# KiCad board AmigaPCI 68040.kicad_pcb (continued)
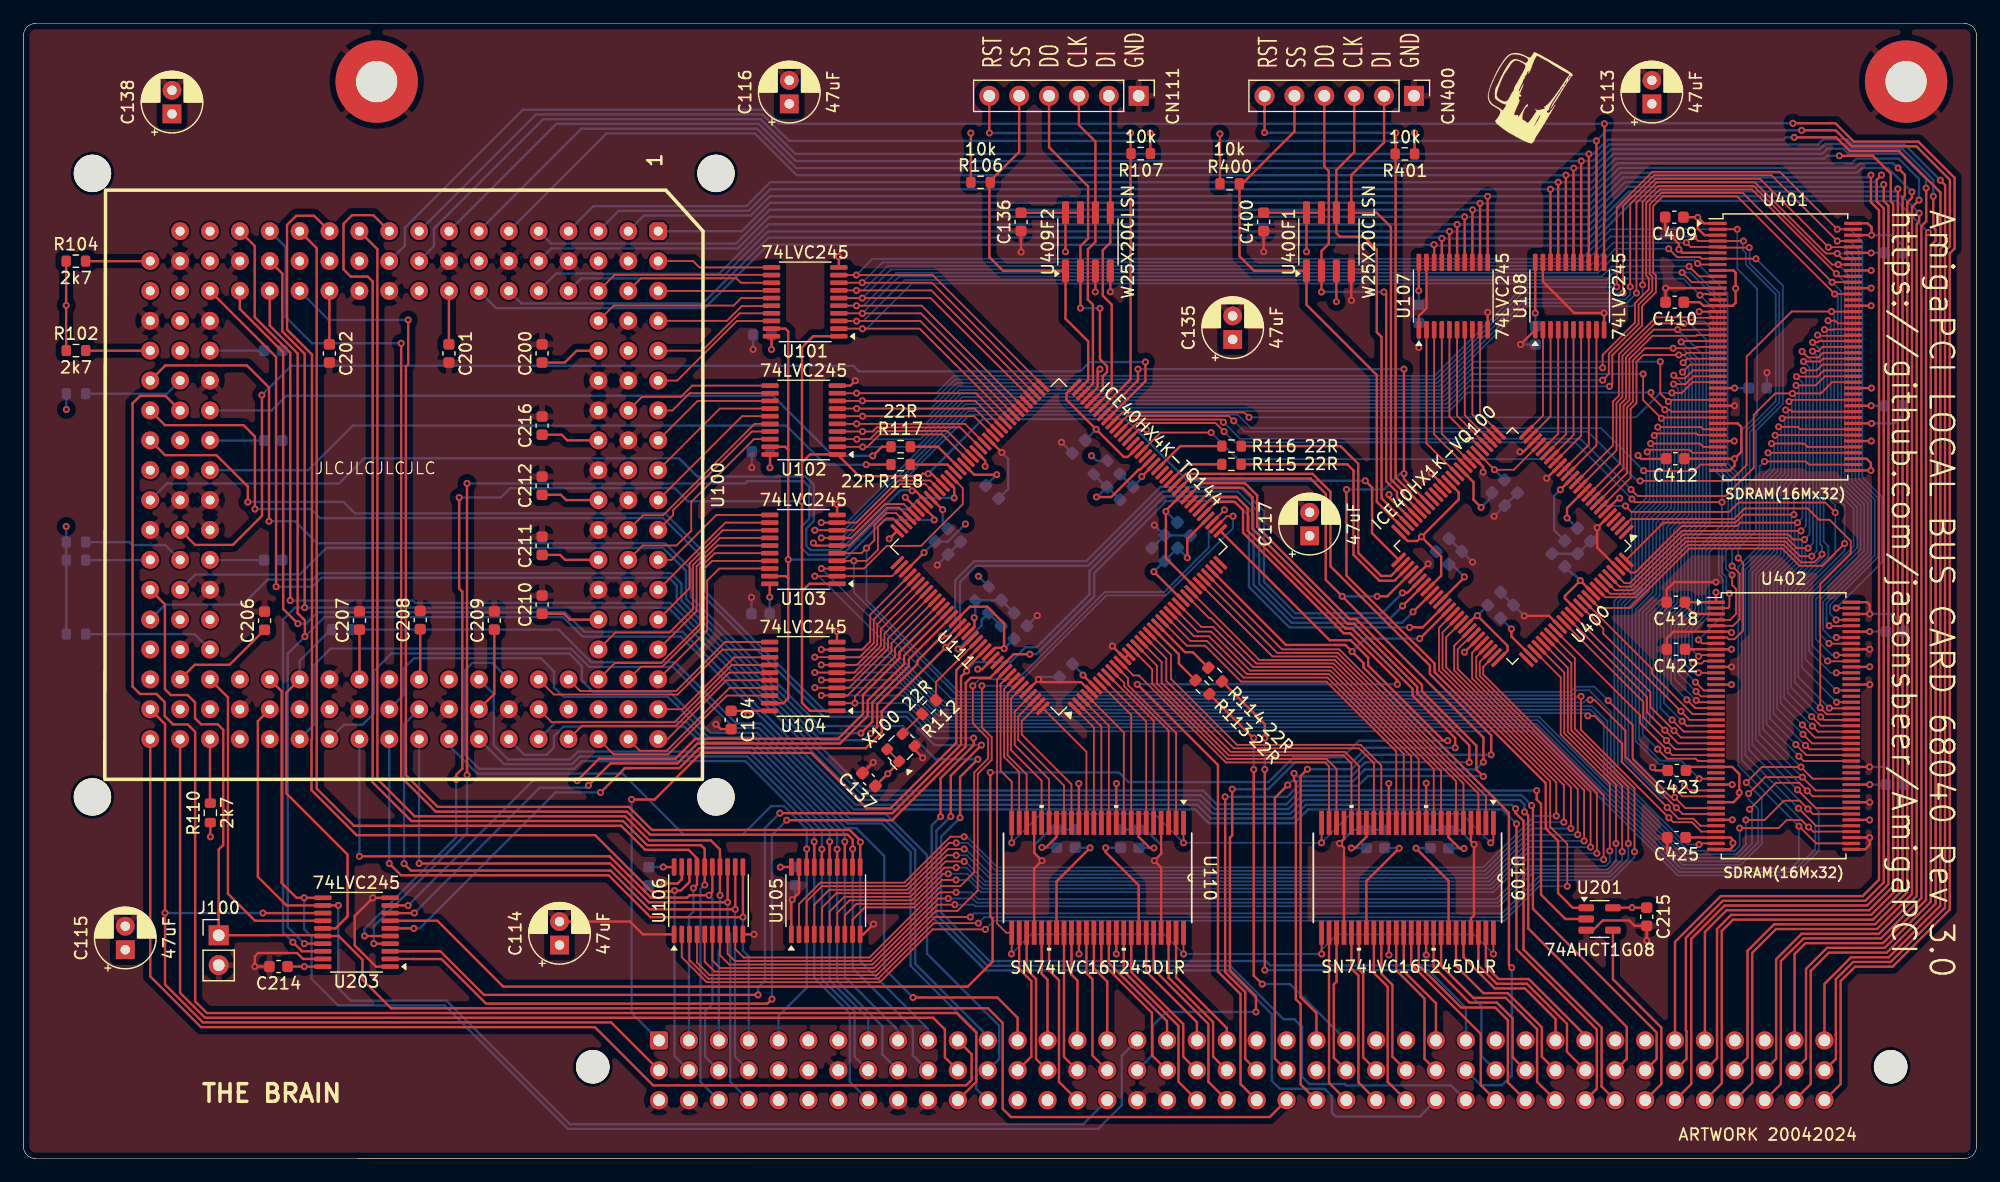
[diagram p0: board, top side]
## Routing (per net, layer and track width the routed paths; a pad name or vN(x,y) marks a point on that pad's centre or on a via; arc(x,y) is an arc through that point) (continued)
_TS-CPU: length 27.9
  Top w0.2: U100.142 17.38,39.19 17.38,22.5 19.67,20.21 U203.14
_UMBE: length 90.7
  Top w0.15: v1(140.11,65.08) 140.96,65.08 141.86,65.98 U401.28 ; U402.28 142.33,33.78 142.13,33.98 139.71,33.98 v1(138.9,34.79) ; v1(104.17,63) 103.75,63.41 93.41,63.41 U111.63
  Bottom w0.15: v1(138.9,34.79) 137.63,36.06 137.63,46.4 139.08,47.86 139.08,53.91 140.34,55.17 140.34,64.85 v1(140.11,65.08) 139.13,65.08 137.05,63 v1(104.17,63)
_UUBE: length 109.7
  Top w0.15: U111.61 94.22,62.81 101.76,62.81 v1(101.99,62.59) ; U402.59 151.31,33.78 v1(150.9,34.19) ; v1(136.64,56.86) 137.2,56.31 144.67,56.31 147.07,58.7 147.07,63.2 148.89,65.03 v1(150.36,65.03) 152.77,65.03 153.73,65.98 U401.59
  Bottom w0.15: v1(136.64,56.86) 132.33,61.17 103.4,61.17 v1(101.99,62.59) ; v1(150.36,65.03) 150.61,64.78 150.61,57.82 149.96,57.17 149.96,51.1 148.15,49.29 148.15,36.94 v1(150.9,34.19)
A0: length 59.5
  Top w0.2: U106.15 58.55,22.65 v1(58.27,22.37) 56.61,22.37 56.41,22.17 53.33,22.17 49.82,25.68 v1(28.55,25.68)
  Bottom w0.2: CN100.b3 57.93,8.66 57.93,12.51 58.56,13.14 58.56,22.08 v1(58.27,22.37) ; v1(28.55,25.68) U100.102
A1: length 57.5
  Top w0.2: U106.11 v1(61.15,20.51) 53.29,20.51 49.73,24.07 32.09,24.07 v1(31.09,25.07)
  Bottom w0.2: U100.96 v1(31.09,25.07) ; v1(61.15,20.51) 61.15,17.66 61.64,17.17 CN100.a4
A2: length 61.2
  Top w0.2: v1(32.35,25.05) 32.93,24.47 49.9,24.47 53.2,21.17 v1(60.5,21.17) U106.12
  Bottom w0.2: v1(32.35,25.05) 32.35,36.9 U100.89 ; CN100.b4 60.47,8.66 60.47,21.15 v1(60.5,21.17)
A3: length 58.7
  Top w0.2: U106.13 v1(59.85,21.77) 53.16,21.77 49.86,25.07 v1(33.63,25.07)
  Bottom w0.2: v1(33.63,25.07) U100.90 ; CN100.c4 60.07,6.52 60.07,19.09 59.85,19.32 v1(59.85,21.77)
A4: length 55.9
  Top w0.2: v1(66.57,26.3) 66.57,24.78
  Bottom w0.2: CN100.a5 64.18,12.12 66.57,14.51 v1(66.57,26.3) 66.57,28 64.62,29.95 63.55,29.95 61.1,27.5 56.14,27.5 50.93,32.71 38.56,32.71 36.17,35.11
A5: length 56.4
  Top w0.2: v1(67.86,26.29) 67.86,24.78
  Bottom w0.2: CN100.b8 70.63,8.66 70.63,12.48 67.86,15.26 v1(67.86,26.29) 67.86,27.84 61.52,34.18 47.29,34.18 46.62,33.51 40.84,33.51 U100.78
A6: length 59.5
  Top w0.2: v1(68.52,26.92) 68.52,26.7 68.51,26.7 68.51,24.77
  Bottom w0.2: CN100.a8 71.8,11.88 68.52,15.16 v1(68.52,26.92) 68.52,27.75 61.69,34.58 47.13,34.58 46.46,33.91 41.19,33.91 39.97,35.13 39.97,39.46 U100.76
A7: length 57.6
  Top w0.2: v1(69.16,26.29) 69.16,24.78
  Bottom w0.2: CN100.b9 73,8.83 73,11.25 69.16,15.09 v1(69.16,26.29) 69.16,27.67 61.85,34.98 57.9,34.98 56.18,36.7 45.89,36.7 45.08,35.89 45.08,34.93 44.46,34.31 42.58,34.31 U100.72
A8: length 52.2
  Top w0.2: v1(69.81,26.92) 69.81,26.92 U105.13
  Bottom w0.2: CN100.a9 74.34,10.89 69.81,15.42 v1(69.81,26.92) 69.81,27.59 62.02,35.38 58.07,35.38 56.34,37.1 45.25,37.1 U100.66
A9: length 71.7
  Top w0.2: v1(67.21,26.92) 67.21,26.92 67.21,24.77
  Bottom w0.2: U100.70 39.85,42.12 38.15,42.12 37.53,41.5 37.53,34.31 38.73,33.11 46.79,33.11 47.46,33.78 61.35,33.78 67.21,27.93 v1(67.21,26.92) 67.21,15.34 70.23,12.32 70.23,6.52 CN100.c8
A10: length 119.8
  Top w0.2: v1(32.1,69.29) 32.1,66.95 32.1,66.95 32.1,32.42 35.04,29.48 51.29,29.48 53.25,27.52 70.06,27.52 70.48,27.1 v1(70.48,26.31) 70.48,24.79
  Bottom w0.2: v1(70.48,26.31) 70.48,16.18 75.59,11.07 75.59,8.78 CN100.b10 ; v1(32.1,69.29) 24.52,69.29 22.27,71.54 22.27,77.48 U100.115
A11: length 111.4
  Top w0.2: v1(32.7,71.27) 32.7,67.5 32.5,67.3 32.5,32.59 35.2,29.88 51.46,29.88 53.42,27.92 70.22,27.92 71.13,27.02 v1(71.13,26.89) 71.11,26.88 U105.11
  Bottom w0.2: U100.111 25.94,71.27 v1(32.7,71.27) ; v1(71.13,26.89) 71.13,16.76 76.88,11.01 CN100.a10
A12: length 98.5
  Top w0.2: v1(56.94,22.98) 57.25,23.28 U106.17 57.25,25.51 56.53,26.23 52.85,26.23 50.8,28.28 28.07,28.28 24.92,31.44 24.92,77.37 U100.109
  Bottom w0.2: CN100.a2 56.56,20.59 56.94,20.98 v1(56.94,22.98)
A13: length 106.7
  Top w0.2: U106.18 56.6,23.49 55.88,22.77 v1(55.34,22.77) 55.27,22.71 53.36,22.71 48.58,27.48 28.31,27.48 24.48,31.31 24.48,35.58 24.52,35.62 24.52,68.34 22.4,70.46 22.4,79.35 23.18,80.13 24.7,80.13 U100.103
  Bottom w0.2: CN100.b2 55.34,8.71 55.34,22.98
A14: length 95.1
  Top w0.2: U100.97 30.08,77.29 30.08,32.25 33.25,29.08 51.13,29.08 53.18,27.03 58.42,27.03 59.2,26.26 U106.14 v1(59.2,22.37)
  Bottom w0.2: CN100.a3 59.1,17.64 59.2,17.74 v1(59.2,22.37)
A15: length 106.8
  Top w0.2: U100.91 29.73,80.18 27.93,80.18 27.2,79.45 27.2,75.57 27.81,74.96 29.26,74.96 29.68,74.54 29.68,31.97 32.97,28.68 50.96,28.68 53.01,26.63 57.58,26.63 57.9,26.31 U106.16 57.9,23.26 v1(57.91,23.25)
  Bottom w0.2: CN100.c3 57.53,6.52 57.53,22.88 v1(57.91,23.25)
A16: length 238.3
  Top w0.2: U108.11 134.35,79.77 134.37,79.8 v1(134.37,87.95) ; CN100.c40 154.45,6.33 154.45,15.08 155.68,16.3 158.87,16.3 163.73,21.16 163.73,76.93 164.14,77.34 164.14,83.35 161.06,86.43 155.57,86.43 154.01,87.99 v1(150.4,87.99)
  Bottom w0.2: v1(150.4,87.99) 134.41,87.99 v1(134.37,87.95) 64.18,87.95 62.99,89.14 42.45,89.14 32.41,79.1 32.41,77.6 U100.92
A17: length 229.6
  Top w0.2: v1(133.69,86.49) 133.7,86.48 U108.12 ; v1(151.14,87.39) 154.04,87.39 155.4,86.03 160.89,86.03 163.74,83.19 163.74,77.54 163.33,77.13 163.33,21.32 158.71,16.7 155.51,16.7 154.05,15.24 154.05,10.52 154.02,10.49 154.05,10.46 154.05,8.47 CN100.b40
  Bottom w0.2: U100.85 43.55,88.74 62.82,88.74 65.07,86.49 v1(133.69,86.49) 134.59,87.39 v1(151.14,87.39)
A18: length 222.1
  Top w0.2: v1(162.93,83.15) 163.34,82.74 163.34,77.7 162.93,77.29 162.93,21.49 158.54,17.1 155.35,17.1 153.08,14.83 CN100.a40 ; v1(132.41,84.78) 132.4,84.77 U108.14
  Bottom w0.2: v1(162.93,83.15) 159.88,86.19 155.46,86.19 155.02,86.63 152.97,86.63 152.53,86.19 134.81,86.19 133.4,84.78 v1(132.41,84.78) 65.65,84.78 62.49,87.94 45.29,87.94 U100.79
A19: length 233.3
  Top w0.2: v1(150.51,86.79) 154.08,86.79 155.24,85.63 159.42,85.63 162.94,82.11 162.94,77.87 162.53,77.46 162.53,21.65 158.38,17.5 153.46,17.5 151.91,15.95 151.91,6.33 CN100.c39 ; U108.13 133.05,79.92 133.06,79.93 v1(133.06,85.38)
  Bottom w0.2: U100.86 34.89,77.54 34.89,79.04 44.19,88.34 62.66,88.34 65.62,85.38 v1(133.06,85.38) 133.43,85.38 134.64,86.59 149.61,86.59 149.81,86.79 v1(150.51,86.79)
A20: length 222.4
  Top w0.2: CN100.b39 151.51,8.47 151.51,16.12 153.3,17.9 158.21,17.9 162.12,21.81 162.12,77.61 162.52,78.01 162.52,78.97 162.33,79.16 v1(162.33,81.78) ; v1(131.77,84.18) 131.75,84.16 U108.15
  Bottom w0.2: U100.73 47.42,87.53 62.33,87.53 65.68,84.18 v1(131.77,84.18) 133.36,84.18 134.97,85.79 152.7,85.79 153.14,86.23 154.85,86.23 155.29,85.79 159.72,85.79 162.33,83.18 v1(162.33,81.78)
A21: length 222.6
  Top w0.2: U108.16 131.1,83.57 v1(131.11,83.58) ; v1(161.72,82.48) 161.73,82.47 161.73,79.66 161.32,79.25 161.32,22.14 157.88,18.7 151.3,18.7 149.37,16.77 149.37,6.33 CN100.c38
  Bottom w0.2: v1(161.72,82.48) 161.72,83.23 159.55,85.39 155.13,85.39 154.69,85.83 153.33,85.83 152.89,85.39 135.14,85.39 133.33,83.58 v1(131.11,83.58) 65.72,83.58 62.17,87.13 49.56,87.13 U100.67
A22: length 208.7
  Top w0.2: v1(157.03,83.59) 157.03,81.28 157.72,80.6 157.72,23.69 156.33,22.3 144.27,22.3 140.38,18.41 CN100.a35 ; U107.13 123.15,80.62 v1(123.17,80.63)
  Bottom w0.2: v1(157.03,83.59) 156.83,83.39 135.97,83.39 133.17,80.59 123.21,80.59 v1(123.17,80.63) 123.16,80.64 63.44,80.64 60.55,77.76 44.85,77.76 U100.61
A23: length 207.5
  Top w0.2: v1(161.92,78.7) 161.72,78.5 161.72,21.98 158.04,18.3 151.47,18.3 150.54,17.37 CN100.a39 ; v1(119.89,77.67) 119.9,77.66 U107.18
  Bottom w0.2: U100.75 40.17,72.28 57.9,72.28 63.29,77.67 v1(119.89,77.67) 119.96,77.6 133.03,77.6 136.82,81.39 159.23,81.39 v1(161.92,78.7)
A24: length 210
  Top w0.2: CN100.a36 142.92,19.26 144.77,21.1 156.89,21.1 158.92,23.14 158.92,81.14 158.72,81.34 158.72,83.7 157.19,85.23 v1(154.35,85.23) ; U108.17 v1(130.45,82.98)
  Bottom w0.2: U100.55 48.46,80.95 61.45,80.95 63.48,82.98 v1(130.45,82.98) 133.29,82.98 135.3,84.99 153.06,84.99 153.3,85.23 v1(154.35,85.23)
A25: length 208.9
  Top w0.2: v1(161.13,80.35) 161.13,79.63 160.92,79.42 160.92,22.31 157.71,19.1 151.14,19.1 148.97,16.94 148.97,8.47 CN100.b38 ; 120.55,76.17 120.55,78.2 v1(120.56,78.2)
  Bottom w0.2: v1(161.13,80.35) 159.69,81.79 136.63,81.79 133.04,78.2 v1(120.56,78.2) 120.49,78.27 63.33,78.27 57.74,72.68 42.31,72.68 U100.69
A26: length 212.1
  Top w0.2: v1(122.5,80.04) 122.5,77.02 122.5,77.01 U107.14 ; CN100.b35 141.35,8.47 141.35,10.84 141.3,10.89 141.3,18.77 144.43,21.9 156.55,21.9 158.12,23.47 158.12,80.76 157.52,81.36 157.52,83.18 v1(157.93,83.59)
  Bottom w0.2: U100.62 44.87,77.36 60.72,77.36 63.4,80.04 v1(122.5,80.04) 122.51,80.03 133.17,80.03 136.13,82.99 157.33,82.99 v1(157.93,83.59)
A27: length 211.6
  Top w0.2: v1(161.12,81.46) 160.52,80.86 160.52,22.47 157.55,19.5 148.96,19.5 146.94,17.48 146.94,6.43 CN100.c37 ; 129.79,76.18 v1(129.79,82.38)
  Bottom w0.2: v1(161.12,81.46) 161.12,83.26 159.39,84.99 155.81,84.99 155.41,84.59 135.47,84.59 133.26,82.38 v1(129.79,82.38) 63.48,82.38 61.65,80.55 50.6,80.55 U100.37
A28: length 213.9
  Top w0.2: v1(121.86,79.39) 121.85,79.39 U107.15 ; CN100.c35 141.75,6.33 141.75,18.66 144.6,21.5 156.72,21.5 158.52,23.3 158.52,80.98 158.12,81.38 v1(158.12,82.79)
  Bottom w0.2: v1(158.12,82.79) 157.92,82.59 136.3,82.59 133.1,79.39 v1(121.86,79.39) 121.85,79.4 63.33,79.4 59.13,75.2 48.62,75.2 48.61,75.22 45.27,75.22 U100.63
A29: length 209.6
  Top w0.2: v1(159.34,84.19) 159.92,83.61 159.92,81.87 159.72,81.67 159.72,22.8 157.22,20.3 145.31,20.3 144.35,19.34 144.35,6.38 CN100.c36 ; v1(124.45,81.78) 124.45,81.78 124.45,76.17
  Bottom w0.2: v1(159.34,84.19) 158.94,84.59 156.09,84.59 155.69,84.19 135.63,84.19 133.22,81.78 v1(124.45,81.78) 124.44,81.79 63.45,81.79 61.81,80.15 52.74,80.15 U100.19
A30: length 207.9
  Top w0.2: CN100.b36 143.95,8.52 143.95,19.5 145.15,20.7 157.05,20.7 159.32,22.97 v1(159.32,82.41) ; U107.16 121.2,78.79 121.21,78.79 v1(121.21,78.8)
  Bottom w0.2: U100.57 47.39,74.8 59.29,74.8 63.29,78.8 v1(121.21,78.8) 121.22,78.79 133.06,78.79 136.46,82.19 159.1,82.19 v1(159.32,82.41)
A31: length 200.6
  Top w0.2: CN100.b37 146.54,8.57 146.54,17.64 148.8,19.9 157.38,19.9 160.12,22.64 160.12,81.26 160.52,81.66 v1(160.52,82.16) ; U107.12 123.8,81.19 v1(123.8,81.19)
  Bottom w0.2: U100.1 61.05,78.82 63.46,81.23 123.76,81.23 v1(123.8,81.19) 123.85,81.19 123.86,81.18 133.19,81.18 135.8,83.79 155.86,83.79 156.26,84.19 158.49,84.19 v1(160.52,82.16)
BANK0: length 58.8
  Top w0.15: U402.22 141.36,36.78 v1(140.98,37.17) ; U401.22 142.23,68.98 142.12,68.87 140.22,68.87 v1(140.22,68.87) 137.83,68.87 136.8,67.84 136.8,64.35 136.3,63.85 136.3,58.27 U400.8
  Bottom w0.15: v1(140.22,68.87) 141.01,68.87 142.14,67.74 142.14,54.42 140.88,53.17 140.88,47.11 139.44,45.67 139.44,38.71 v1(140.98,37.17)
BANK1: length 58.7
  Top w0.15: U400.7 136.6,57.87 136.6,63.72 137.1,64.22 137.1,67.72 137.68,68.3 v1(140.7,68.3) 141.19,68.3 141.38,68.48 U401.23 ; v1(140.13,37.27) 141.12,36.28 U402.23
  Bottom w0.15: 141.84,67.61 141.15,68.3 v1(140.7,68.3) ; 141.84,67.61 141.84,67.11 ; 141.84,67.61 141.84,67.11 ; 141.84,67.11 141.84,54.55 140.58,53.29 140.58,47.24 139.14,45.79 139.14,38.27 v1(140.13,37.27)
BCLKA: length 60.8
  Top w0.2: R117.2 72.97,60.5 v1(72.19,59.72)
  Bottom w0.2: v1(72.19,59.72) 68.81,59.72 63.7,64.83 22.35,64.83 21.1,63.58 U100.133
BCLKB: length 22.8
  Top w0.2: U400.53 116.54,49.11 115.24,49.11 113.05,51.31 113.05,58.48 112.52,59 R115.2
BCLKC: length 47.6
  Top w0.2: v1(105.51,16.01) v1(105.51,33.07) ; R114.2 105.51,36.91 v1(105.51,35.74)
  Bottom w0.2: v1(105.51,33.07) 105.51,35.94 v1(105.51,35.74) ; v1(105.51,16.01) 119.4,16.01 122.6,12.81 CN100.a28
BUFDIR: length 65
  Top w0.15: U110.1 98.6,26.84 v1(98.6,26.83) ; U109.24 110.33,26.84 v1(110.33,26.83) ; U111.136 83.05,40.33 83.05,32.96 84,32.02 U110.24 84,26.84 v1(84,26.83) ; U109.1 124.94,27.06 v1(124.71,26.83)
  Bottom w0.15: v1(84,26.83) 86.46,29.3 96.13,29.3 v1(98.6,26.83) v1(110.33,26.83) 112.79,29.3 122.24,29.3 v1(124.71,26.83)
CDONE: length 90
  Top w0.2: v1(112.45,56.86) 112.45,49.54 118.36,43.63 118.38,43.63 119.94,42.07 119.94,41.34 129.39,31.9 129.39,28.04 130.44,26.99 130.44,22.55 131.69,21.31 U201.1 ; U400.43 117.34,57.75 v1(117.34,58.21) v1(117.34,67.1) ; U111.65 94.73,66.15 v1(94.73,67.1)
  Bottom w0.2: v1(117.34,58.21) 117,58.21 115.65,56.86 v1(112.45,56.86) ; v1(94.73,67.1) v1(117.34,67.1)
D0: length 15.3
  Top w0.15: U100.39 50.24,75.11 63.55,75.11
D1: length 12.8
  Top w0.15: U100.21 52.48,74.81 60.6,74.81 60.97,74.44 U101.13
D2: length 15.5
  Top w0.15: U100.40 50.16,72.5 60.36,72.5 61,73.14 63.58,73.14
D3: length 9.9
  Top w0.15: U100.2 56.91,76.28 57.45,75.74 U101.11
D4: length 9.6
  Top w0.15: U100.3 63.53,73.74
D5: length 10.1
  Top w0.15: 63.55,72.46 61.05,72.46 59.79,71.2 U100.4
D6: length 10.9
  Top w0.15: U100.5 57.68,68.66 60.85,71.84 U101.17
D7: length 11.7
  Top w0.15: U101.18 60.63,71.19 55.56,66.12 U100.6
D8: length 12.9
  Top w0.15: U100.25 52.56,64.74 55.88,64.74 56.84,65.69 63.45,65.69
D9: length 10.1
  Top w0.15: 63.45,65.04 56.61,65.04 55.15,63.58 U100.7
D10: length 10.9
  Top w0.15: 63.45,64.39 57.3,64.39 U100.8
D11: length 11.7
  Top w0.15: U100.9 59.19,63.74 63.45,63.74
D12: length 12.5
  Top w0.15: U100.10 61.08,63.09 63.45,63.09
D13: length 13.2
  Top w0.15: 63.45,61.79 61.92,61.79 61.48,61.35 61.47,61.35 55.22,55.1 55.22,54.69 U100.11
D14: length 11.1
  Top w0.15: U103.11 58.89,54.7 55.08,50.88 U100.12
D15: length 11.8
  Top w0.15: U100.13 59.65,54.05 U103.12
D16: length 15.8
  Top w0.15: U100.29 52.66,54.67 54.37,54.67 62.14,62.44 63.45,62.44
D17: length 13.9
  Top w0.15: U103.13 59.43,53.4 56.61,50.58 56.61,48.46 U100.14
D18: length 17.7
  Top w0.15: U100.30 52.63,52.1 55.51,52.1 56.76,53.35 56.76,55.81 62.09,61.14 63.45,61.14
D19: length 15.4
  Top w0.15: U100.15 57.21,46.52 57.21,50.33 58.98,52.1 U103.15
D20: length 15.9
  Top w0.15: U100.16 58.11,44.88 58.11,49.12 59.13,50.15 U103.18
D21: length 11.3
  Top w0.15: U104.13 60.42,42.6 56.01,38.18 U100.17
D22: length 19
  Top w0.15: U100.34 52.49,41.8 54.31,41.8 57.81,45.3 57.81,50.08 58.52,50.8 U103.17
D23: length 20.7
  Top w0.15: U100.51 50.31,44.7 54.9,44.7 56.91,46.71 56.91,50.45 59.2,52.75 63.43,52.75
D24: length 11.5
  Top w0.15: U104.16 59.75,40.65 54.74,35.64 U100.18
D25: length 21.8
  Top w0.15: U100.52 50.25,42.1 54.18,42.1 57.51,45.43 57.51,50.21 58.75,51.45 U103.16
D26: length 14.6
  Top w0.15: U100.36 52.39,34.66 54.67,34.66 60.01,40 U104.17
D27: length 19.2
  Top w0.15: U104.11 59.63,43.9 55.47,39.74 47.31,39.74 U100.58
D28: length 17.1
  Top w0.15: U100.54 50.15,34.36 54.79,34.36 59.78,39.35 U104.18
D29: length 21.7
  Top w0.15: U104.12 59.41,43.25 55.6,39.44 45.07,39.44 U100.64
D30: length 22.1
  Top w0.15: U100.65 44.89,37.08 55.33,37.08 60.2,41.95 U104.14
D31: length 19.4
  Top w0.15: U100.60 47.46,36.78 55.45,36.78 59.97,41.3 U104.15
DA0: length 13.8
  Top w0.2: 132.76,10.44 127.95,15.25 125.38,15.25 124.3,16.33 U109.47
DA1: length 19.9
  Top w0.2: U109.41 120.49,16.39 123.23,13.65 125.99,13.65 128.65,10.99 128.65,8.17 128.64,8.15 128.65,8.14 128.65,6.52 CN100.c31
DA2: length 13.9
  Top w0.2: U109.44 122.4,17.11 125.05,14.45 127.62,14.45 130.22,11.85 CN100.a31
DA3: length 17
  Top w0.2: CN100.b32 131.19,9.06 131.19,11.44 127.78,14.85 125.22,14.85 123.67,16.4 U109.46
DA4: length 16.4
  Top w0.2: U109.43 121.76,16.37 124.08,14.05 126.15,14.05 129.05,11.15 129.05,8.66 CN100.b31
DA5: length 19.7
  Top w0.2: U109.38 118.59,16.43 122.19,12.83 125.09,12.83 126.17,11.75 126.17,6.46 CN100.c30
DA6: length 16.3
  Top w0.2: CN100.b30 126.57,8.6 126.57,11.92 125.23,13.25 122.91,13.25 119.86,16.3 U109.40
DA7: length 17.2
  Top w0.2: CN100.c29 123.87,6.22 123.87,10.59 117.95,16.5 U109.37
DA8: length 10.3
  Top w0.2: U109.36 117.32,15.93 120.06,13.19 CN100.a27
DA9: length 13.1
  Top w0.2: CN100.b27 119.08,8.47 119.08,13.6 116.68,16 U109.35
DA10: length 15.4
  Top w0.2: CN100.c26 115.95,6.52 115.95,14.6 114.78,15.77 U109.32
DA11: length 12.6
  Top w0.2: U109.33 115.41,15.7 116.35,14.76 116.35,8.66 CN100.b26
DA12: length 15.1
  Top w0.2: U109.29 112.87,16.14 113.47,15.54 113.47,6.46 CN100.c25
DA13: length 14.8
  Top w0.2: CN100.c24 110.97,6.42 U109.26
DA14: length 16.8
  Top w0.2: U110.44 96.06,16.08 100.71,11.43 100.71,6.52 CN100.c20
DA15: length 13.7
  Top w0.2: U110.46 97.33,15.38 101.11,11.59 101.11,8.66 CN100.b20
DA16: length 12.3
  Top w0.2: U109.30 113.51,16.07 113.87,15.71 113.87,8.6 CN100.b25
DA17: length 10.9
  Top w0.2: CN100.a20 102.28,11.08 97.97,15.4 U110.47
DA18: length 12.2
  Top w0.2: CN100.b24 111.37,8.56 111.37,14.79 111.6,15.03 U109.27
DA19: length 14
  Top w0.2: U110.41 94.16,15.84 98.57,11.42 98.57,8.66 CN100.b19
DA20: length 11.2
  Top w0.2: CN100.a18 97.2,11.67 92.25,16.62 U110.38
DA21: length 15.2
  Top w0.2: CN100.c15 88.01,6.52 88.01,15.15 87.17,15.99 U110.30
DA22: length 14
  Top w0.2: U110.37 91.62,16.69 95.92,12.38 95.92,8.77 CN100.b18
DA23: length 16.8
  Top w0.2: U110.40 93.52,15.91 98.17,11.26 98.17,6.52 CN100.c19
DA24: length 12.4
  Top w0.2: U110.27 85.27,16.05 86.06,15.25 86.06,8.47 CN100.b14
DA25: length 10.9
  Top w0.2: CN100.a19 99.74,11.58 95.43,15.89 U110.43
DA26: length 9.4
  Top w0.2: U110.29 86.54,15.71 87.04,15.2 CN100.a14
DA27: length 12.4
  Top w0.2: U110.35 90.35,15.76 90.86,15.24 90.86,8.75 CN100.b16
DA28: length 12.6
  Top w0.2: U110.26 84.63,16.11 85.66,15.08 85.66,8.66 CN100.b13
DA29: length 9.6
  Top w0.2: CN100.a16 92.12,15.03 90.98,16.17 U110.36
DA30: length 12.2
  Top w0.2: U110.32 88.44,8.63 CN100.b15
DA31: length 9.4
  Top w0.2: CN100.a15 89.58,15.12 89.08,15.63 U110.33
EMA0: length 53.1
  Top w0.15: v1(141.01,66.84) 141.65,67.48 U401.25 ; U402.25 140.64,35.28 v1(139.52,36.4) 137.99,37.93 137.99,39.22 U400.86
  Bottom w0.15: v1(139.52,36.4) 138.54,37.38 138.54,46.04 139.98,47.48 139.98,53.54 141.24,54.79 141.24,66.62 v1(141.01,66.84)
EMA1: length 55.3
  Top w0.15: U402.26 140.39,34.78 v1(139.65,35.53) 137.69,37.49 137.69,38.81 U400.85 ; U401.26 141.9,66.98 141.23,66.32 140.52,66.32 v1(140.27,66.57)
  Bottom w0.15: v1(140.27,66.57) 140.94,65.9 140.94,54.92 139.68,53.66 139.68,47.61 138.24,46.16 138.24,36.94 v1(139.65,35.53)
EMA2: length 55.6
  Top w0.15: U401.27 141.94,66.48 141.28,65.82 v1(140.25,65.82) ; U402.27 140.15,34.28 v1(139.74,34.69) 137.39,37.05 137.39,37.7 U400.83
  Bottom w0.15: v1(139.74,34.69) 137.94,36.5 137.94,46.29 139.38,47.73 139.38,53.79 140.64,55.04 140.64,65.43 v1(140.25,65.82)
EMA3: length 58.7
  Top w0.15: v1(150.48,54.73) 146.19,54.73 145.51,54.05 139.4,54.05 U400.100 ; v1(150.66,65.71) 152.34,65.71 153.11,66.48 U401.60 ; v1(150.65,35.18) 151.55,34.28 U402.60
  Bottom w0.15: v1(150.65,35.18) 148.45,37.38 148.45,49.17 150.26,50.98 150.26,54.5 v1(150.48,54.73) 150.48,57.27 150.91,57.7 150.91,65.47 v1(150.66,65.71)
EMA4: length 60.4
  Top w0.15: v1(150.79,54.04) 145.93,54.04 145.64,53.75 140.95,53.75 137,49.8 136.6,49.8 U400.99 ; U402.61 151.79,34.78 v1(151.46,35.11) ; U401.61 153.03,66.98 152.51,66.46 v1(150.7,66.46)
  Bottom w0.15: 148.75,48.35 148.75,49.05 ; 148.75,48.35 148.75,37.82 v1(151.46,35.11) ; 148.75,48.35 148.75,49.05 ; 148.75,49.05 150.56,50.85 150.56,53.81 v1(150.79,54.04) 151.21,54.46 151.21,65.95 v1(150.7,66.46)
EMA5: length 59.9
  Top w0.15: U401.62 152.92,67.48 152.43,66.99 v1(151.28,66.99) ; v1(151.26,36.06) 152.03,35.28 U402.62 ; U400.97 136.08,48.9 136.52,48.9 140.96,53.35 v1(151.08,53.35)
  Bottom w0.15: v1(151.28,66.99) 151.51,66.76 151.51,53.77 v1(151.08,53.35) 150.86,53.12 150.86,50.73 149.05,48.92 149.05,38.26 v1(151.26,36.06)
EMA6: length 60.7
  Top w0.15: v1(151.38,52.61) 150.43,52.61 150,53.05 141.09,53.05 136.65,48.6 135.67,48.6 U400.96 ; U401.63 152.97,67.98 152.73,67.74 v1(151.3,67.74) ; U402.63 152.28,35.78 v1(151.2,36.86)
  Bottom w0.15: v1(151.3,67.74) 151.81,67.23 151.81,53.04 v1(151.38,52.61) 151.16,52.39 151.16,50.6 149.35,48.8 149.35,38.71 v1(151.2,36.86)
EMA7: length 62.2
  Top w0.15: v1(151.18,68.6) 151.69,68.09 152.57,68.09 152.96,68.48 U401.64 ; U400.95 135.27,48.3 136.77,48.3 141.21,52.75 149.87,52.75 150.74,51.88 v1(151.68,51.88) ; U402.64 152.52,36.28 v1(152.05,36.75)
  Bottom w0.15: v1(151.18,68.6) 152.11,67.67 152.11,52.3 v1(151.68,51.88) 151.46,51.65 151.46,50.48 149.65,48.67 149.65,39.15 v1(152.05,36.75)
EMA8: length 60.9
  Top w0.15: U400.94 134.86,48 136.9,48 141.34,52.45 149.75,52.45 151,51.2 v1(151.99,51.2) ; U402.65 152.76,36.78 v1(151.99,37.55) ; v1(152.06,68.62) 152.54,68.62 152.91,68.98 U401.65
  Bottom w0.15: v1(152.06,68.62) 152.41,68.27 152.41,51.61 v1(151.99,51.2) 151.99,50.59 149.95,48.55 149.95,39.59 v1(151.99,37.55)
EMA9: length 62.6
  Top w0.15: v1(152.76,37.53) 153,37.28 U402.66 ; v1(152.87,51.36) 152.87,51.33 152.21,50.67 151.1,50.67 149.62,52.15 141.46,52.15 137.02,47.7 134.45,47.7 U400.93 ; v1(152.07,69.37) 152.08,69.38 152.52,69.38 152.63,69.48 U401.66
  Bottom w0.15: v1(152.76,37.53) 150.25,40.03 150.25,48.42 152.87,51.04 v1(152.87,51.36) 152.87,52.04 152.71,52.2 152.71,68.73 v1(152.07,69.37)
EMA10: length 53.6
  Top w0.15: v1(141.07,67.64) 141.41,67.98 U401.24 ; U402.24 140.88,35.78 v1(140.3,36.36) 138.29,38.37 138.29,39.63 U400.87
  Bottom w0.15: v1(141.07,67.64) 141.54,67.17 141.54,54.67 140.28,53.41 140.28,47.36 138.84,45.92 138.84,37.82 v1(140.3,36.36)
EMA11: length 52.6
  Top w0.15: U402.21 141.61,37.28 v1(140.88,38.01) 134.28,44.61 134.28,45.05 U400.89 ; v1(140.9,69.4) 140.98,69.48 U401.21
  Bottom w0.15: v1(140.9,69.4) 142.44,67.86 142.44,54.3 141.18,53.04 141.18,46.99 139.74,45.54 139.74,39.15 v1(140.88,38.01)
EMA12: length 64.8
  Top w0.15: v1(154.79,52.26) 152.9,50.37 150.97,50.37 149.5,51.85 141.59,51.85 136.53,46.79 133.95,46.79 U400.91 ; v1(154.11,38.78) U402.69 ; U401.69 154.22,70.98 153.99,71.21 v1(153.38,71.21)
  Bottom w0.15: v1(153.38,71.21) 153.61,70.99 153.61,56.65 154.79,55.47 v1(154.79,52.26) 154.79,51.69 151.15,48.05 151.15,41.74 v1(154.11,38.78)
EMCLKE: length 76.5
  Top w0.15: 155.45,69.93 152.55,69.93 v1(152.49,69.99) ; U400.2 136.63,54.35 145.39,54.35 146.29,55.25 151.66,55.25 152.62,54.29 153.51,54.29 155.31,52.49 155.31,51.44 152.72,48.84 v1(152.72,38.31) 153.27,37.76 155.33,37.76
  Bottom w0.15: v1(152.72,38.31) 150.55,40.48 150.55,48.3 153.41,51.15 153.41,52.04 153.01,52.44 153.01,69.47 v1(152.49,69.99)
LVA0: length 76.7
  Top w0.15: v1(102.81,54.59) 102.28,54.59 101.39,53.7 ; U106.5 57.9,16.73 58.75,15.88 72.41,15.88 77.57,21.05 79.38,21.05 81.11,22.78 81.11,32.69 82.29,33.88 82.29,35.8 81.46,36.64 v1(81.46,40.18)
  Bottom w0.15: v1(102.81,54.59) 102.81,53.58 97.08,47.85 92.03,47.85 84.35,40.18 v1(81.46,40.18)
LVA1: length 72.3
  Top w0.15: v1(80.69,40.18) 80.69,36.98 81.99,35.68 81.99,34 80.81,32.81 80.81,24.33 79.63,23.15 77.97,23.15 71.91,17.08 61.22,17.08 60.5,17.8 U106.9 ; v1(102.08,55.13) 102.08,55.11 U111.39
  Bottom w0.15: v1(80.69,40.18) 81.25,40.74 84.49,40.74 91.9,48.15 95.93,48.15 95.77,48.15 96.96,48.15 100.74,51.93 100.74,53.79 v1(102.08,55.13)
LVA2: length 101.4
  Top w0.15: U106.8 59.85,17.4 60.47,16.78 72.03,16.78 77.87,22.62 v1(79.27,22.62) ; v1(134.83,26.14) 134.83,31.86 130.66,36.03 130.66,40.89 U400.78
  Bottom w0.15: v1(79.27,22.62) 80.55,22.62 81.14,22.04 125.18,22.04 128,24.86 134.5,24.86 134.83,25.2 v1(134.83,26.14)
LVA3: length 103.1
  Top w0.15: v1(78.6,22.1) 77.77,22.1 72.16,16.48 59.99,16.48 59.2,17.27 U106.7 ; U400.79 130.96,41.29 130.96,36.15 135.36,31.76 v1(135.36,26.77)
  Bottom w0.15: v1(135.36,26.77) 135.36,25.3 134.62,24.56 128.12,24.56 125.3,21.74 81.01,21.74 80.65,22.1 v1(78.6,22.1)
LVA4: length 93.5
  Top w0.15: U105.2 65.91,21.63 67.73,23.44 74.87,23.44 78.78,27.35 v1(79.95,27.35) ; v1(130.29,29.11) 130.29,31.95 120.62,41.62 120.62,44.71 U400.65
  Bottom w0.15: v1(79.95,27.35) 80.18,27.35 82.78,24.74 124.06,24.74 128.43,29.11 v1(130.29,29.11)
LVA5: length 92.8
  Top w0.15: 67.21,19.05 67.21,21.57 68.49,22.84 75.12,22.84 78.58,26.3 v1(79.96,26.3) ; v1(131.53,28.05) 131.53,31.56 121.6,41.49 121.6,43.57 U400.68
  Bottom w0.15: v1(131.53,28.05) 128.22,28.05 124.31,24.14 82.23,24.14 80.07,26.3 v1(79.96,26.3)
LVA6: length 92.5
  Top w0.15: v1(132.11,27.52) 132.11,31.41 121.9,41.61 121.9,43.28 123.14,44.51 U400.69 ; v1(79.28,25.77) 78.48,25.77 75.25,22.54 69.09,22.54 67.86,21.32 U105.5
  Bottom w0.15: v1(79.28,25.77) 80.18,25.77 82.11,23.84 124.43,23.84 128.11,27.52 v1(132.11,27.52)
LVA7: length 91.1
  Top w0.15: v1(132.65,26.99) 132.65,31.29 123.13,40.81 123.13,42.97 U400.71 ; 68.51,19.05 68.51,20.99 69.77,22.24 75.37,22.24 78.38,25.25 v1(79.96,25.25)
  Bottom w0.15: v1(132.65,26.99) 132.64,27 128.01,27 124.56,23.54 81.76,23.54 80.05,25.25 v1(79.96,25.25)
LVA8: length 90.8
  Top w0.15: v1(133.2,26.46) 133.2,31.16 123.48,40.88 123.48,42.62 U400.72 ; v1(79.28,24.72) 78.28,24.72 75.5,21.94 70.22,21.94 69.16,20.89 U105.7
  Bottom w0.15: v1(79.28,24.72) 80.15,24.72 81.63,23.24 124.68,23.24 127.91,26.47 133.19,26.47 v1(133.2,26.46)
LVA9: length 93.6
  Top w0.15: v1(130.93,28.58) 130.93,31.74 120.92,41.75 120.92,44.3 U400.66 ; U105.3 66.56,21.85 67.85,23.14 75,23.14 78.68,26.82 v1(79.28,26.82)
  Bottom w0.15: v1(130.93,28.58) 128.33,28.58 124.18,24.44 82.66,24.44 80.28,26.82 v1(79.28,26.82)
